# KiCad board Beacon_Multiboard_Stencil.kicad_pcb (continued)
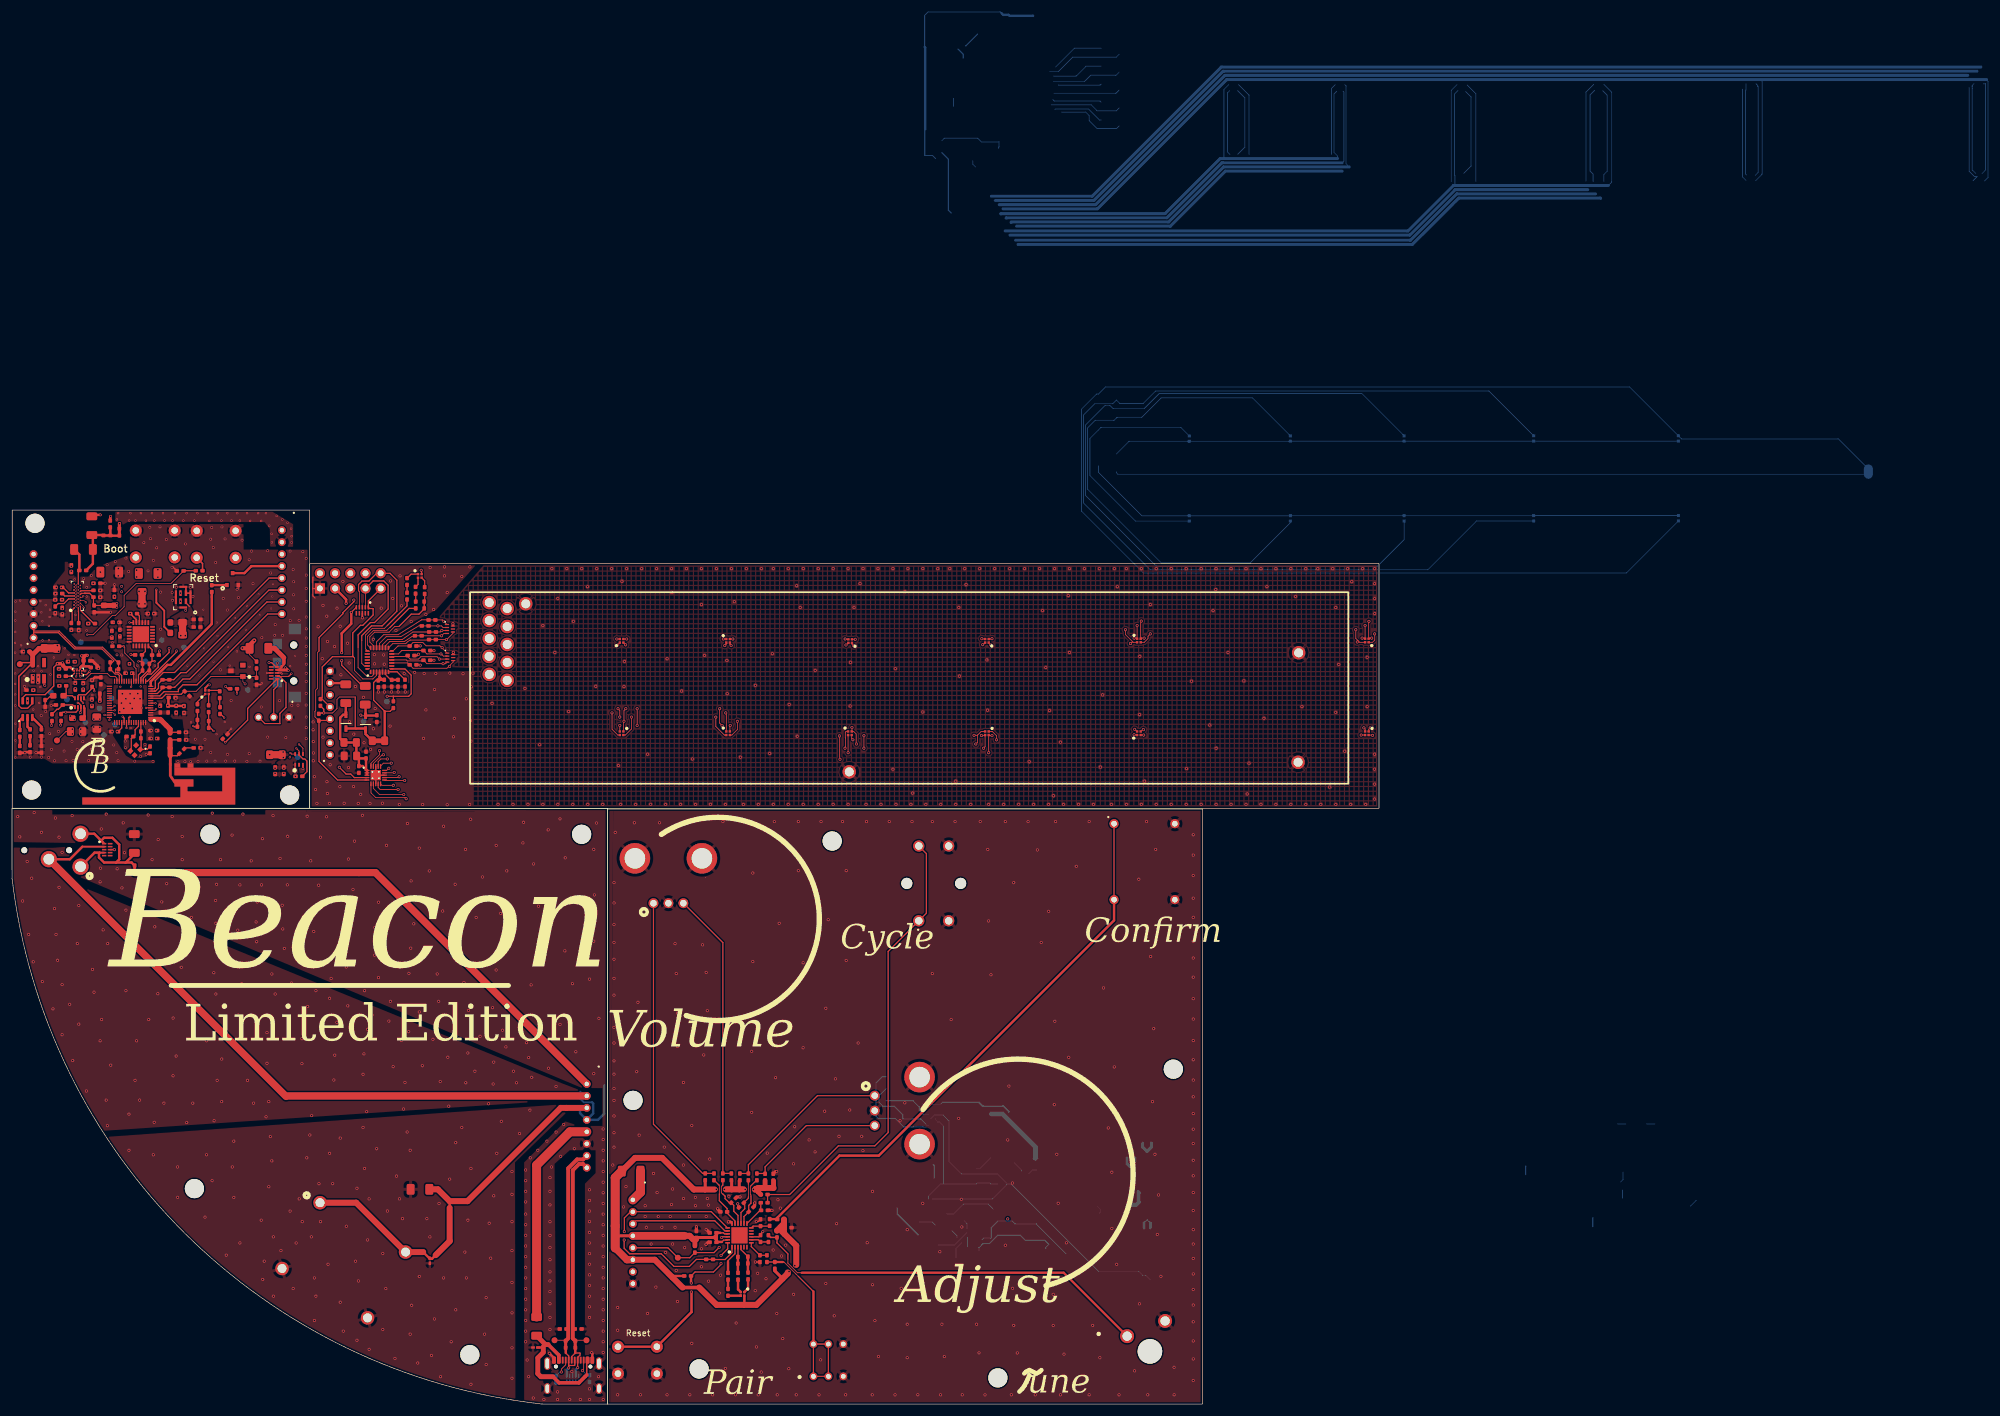
[diagram p0: board, top side]
## Routing (per net, layer and track width the routed paths; a pad name or vN(x,y) marks a point on that pad's centre or on a via; arc(x,y) is an arc through that point) (continued)
/Main_Board/USB_DP: length 21
  Top w0.178: 16.76,123.95 17.02,124.22 15.03,126.21 10.46,126.21 7.77,128.9 3.66,128.9 ; J1610.1 J1610.2 16.43,122.81 17.24,122 17.71,122 17.94,121.77 17.94,120.78
  Top w0.2: J106.1 3.61,128.85 3.66,128.9 3.66,128.9 ; 16.76,123.95 J1610.1
/Tactile_Board/I2C1_SCLK: length 45.1
  Top w0.2: U1501.1 120.33,25.32 119.15,24.15 117.18,24.15 J1501.2 J1501.1 114.38,24.17 113.21,23 110.62,23 108.51,25.11 103.23,25.11 102.31,26.03 v1(102.31,27.42) ; v1(102.34,28.81) 102.34,31.11 103.35,32.12 J104.2 103.79,32.15 116.87,32.15 119.57,29.45 U1501.19
  Bottom w0.2: 252.99,39.74 252.96,39.72 252.96,38.34
/Tactile_Board/I2C1_SDA: length 16.8
  Top w0.2: J104.3 104.27,30.62 117.45,30.62 119.13,28.95 U1501.20
/Tactile_Board/IO_Expander/TACT_B: length 4.7
  Top w0.2: J1503.2 122.99,24.64 121.83,25.8 U1501.4 ; 122.99,22 R1506.1
  Top w0.4: 122.99,22 J1503.1 J1503.2
/Tactile_Board/IO_Expander/TACT_CONFIRM: length 3.2
  Top w0.2: U1501.12 123.85,29.73 C1402.2 126.58,29.73 R1406.2
/Tactile_Board/IO_Expander/TACT_CYCLE: length 4.6
  Top w0.2: R1405.2 125.14,32.43 C1401.2 125.04,32.38 U1501.13
/Tactile_Board/IO_Expander/TACT_EQZR_A: length 7.9
  Top w0.13: 123.07,36.74 123.07,34.64
  Top w0.2: 123.07,34.64 123.07,34.41 C1407.2 122.46,33.48 122.46,32.63 121.83,32.01 U1501.15 ; 123.07,36.74 R1415.1
/Tactile_Board/IO_Expander/TACT_EQZR_B: length 8.2
  Top w0.13: 123.47,36.44 123.4,36.37 123.4,35.04 123.5,34.94 123.5,34.69
  Top w0.2: U1501.14 122.33,31.34 C1408.2 123.12,33.19 123.5,33.57 123.5,34.69 ; 123.47,36.44 124.42,37.4 R1416.1
/Tactile_Board/IO_Expander/TACT_G: length 4.3
  Top w0.2: 121.31,21.94 R1505.1 ; U1501.3 121.33,24.61 J1502.2
  Top w0.4: J1502.2 J1502.1 121.31,21.94
/Tactile_Board/IO_Expander/TACT_PAIR: length 3.9
  Top w0.2: U1501.7 123.56,26.31 C1403.2 126.24,24.87
/Tactile_Board/IO_Expander/TACT_R: length 4.8
  Top w0.2: 119.66,23.77 119.66,23.95 120.83,25.12 U1501.2
  Top w0.4: 119.66,23.77 R1504.1
/Tactile_Board/IO_Expander/TACT_TUNE: length 3
  Top w0.2: R1408.2 126.41,27.09 C1404.2 124.75,27.45 U1501.8
/Tactile_Board/IO_Expander/TACT_VOLUME_A: length 8.7
  Top w0.13: 118.21,36.54 118.21,35.12
  Top w0.2: 118.21,36.54 117.35,37.4 R1413.1 ; U1501.17 120.83,30.59 119.52,31.9 C1405.2 119.52,32.67 118.21,33.98 118.21,35.12
/Tactile_Board/IO_Expander/TACT_VOLUME_B: length 8.7
  Top w0.13: 118.8,35.12 118.75,35.12 118.54,35.32 118.54,36.34 118.7,36.49
  Top w0.2: R1414.1 118.8,36.59 118.7,36.49 ; U1501.16 121.33,31.52 120.63,32.22 120.63,33.2 C1406.2 119.86,33.65 119.18,34.33 119.18,34.74 118.8,35.12
/Tactile_Board/TACT_NINT: length 18.7
  Top w0.2: v1(118.6,27.83) 118.71,27.95 U1501.22 ; v1(118.19,26.18) 117.32,25.31 R1501.1 113.27,24.45 TP1501.1 109.62,26.12 J104.5
  Bottom w0.13: 269.24,38.76 269.24,37.51 268.84,37.11
Net-(AE801-Pad1): length 7.4
  Top w0.2: C802.2 26.43,111 L801.1 ; L802.2 27.63,108.35 26.46,108.35
  Top w0.25: 26.43,108.4 J803.1
  Top w0.381: 26.43,109.59 26.46,109.59
  Top w0.46: J803.1 AE801.1
  Top w0.84: 26.43,108.4 L801.1
Net-(C804-Pad2): length 1.6
  Top w0.2: L802.1 28.94,109.66 C804.2
Net-(D414-A): length 6.1
  Top w0.13: D414.2 58.42,115.02 v1(58.3,115.14)
  Top w0.4: 59.09,117.13 59.09,115.06 60.81,115.06 60.97,115.22
  Bottom w0.13: 161.03,206.75 160.56,207.22 160.56,207.78
Net-(D417-Pad1): length 2.1
  Top w0.2: R407.2 66.7,138.7 D417.1
Net-(D417-Pad2): length 1.7
  Top w0.2: D417.2 67.86,136.98 R405.2
Net-(D417-Pad3): length 1.8
  Top w0.2: D417.3 68.97,137.59 R403.2
Net-(D501-Pad1): length 2.3
  Top w0.4: R513.2 1.31,114.24 D501.1
Net-(D501-Pad2): length 2.2
  Top w0.4: D501.2 2.6,113.18 R512.2
Net-(D501-Pad3): length 2.6
  Top w0.4: R511.2 4.92,113.21 D501.3
Net-(D502-Pad1): length 24.2
  Top w0.25: J510.A9 96.06,7.21 96.06,4.87 ; 88.64,9.44 88.79,9.6
  Top w0.4: 87.83,9.44 88.64,9.44 ; 88.79,9.6 89.15,9.95
  Top w0.6: 89.61,9.95 91.39,8.17 J510.A4 ; 90.42,4.57 91.44,3.55 94.74,3.55 96.06,4.87
  Top w0.8: 89.61,9.95 89.15,9.95 F502.1 ; 90.42,4.57 88.39,4.57 87.88,5.08 87.88,7.72 88.79,8.63 88.79,9.6
Net-(D801-Pad1): length 2.2
  Top w0.2: R805.2 31,117.36 D801.1
Net-(D801-Pad2): length 1.9
  Top w0.2: R803.2 32.87,118.63 D801.2
Net-(D801-Pad3): length 1.9
  Top w0.2: D801.3 34.57,119.26 R801.2
Net-(D1501-Pad1): length 2.4
  Top w0.4: D1501.1 123.02,19.33 R1506.2
Net-(D1501-Pad2): length 2.3
  Top w0.4: R1505.2 121.34,19.17 D1501.2
Net-(D1501-Pad3): length 2.1
  Top w0.2: R1503.2 119.68,18.11
  Top w0.4: D1501.3 121.79,18.1 119.69,18.1 119.68,18.11
Net-(J501-Pin_1): length 11.9
  Top w0.25: v2(46.18,122.59) v2(45.72,123.05) ; 44.62,122.69 45.04,123.12 45.04,123.18
  Top w0.4: D507.4 44.62,122.69 ; 45.44,123.63 45.04,123.23 45.04,123.18
  Top w0.5: 44.62,122.69 45.83,122.69 45.95,122.82
  Top w0.6: 45.44,123.81 45.44,124.75
  Top w0.8: F501.1 43.88,126.31 45.44,124.75
  Bottom w0.2: 188.32,35.45 188.53,35.25 188.63,35.25 ; 188.32,35.45 188.27,35.4 ; 188.32,35.45 188.32,35.56 188.17,35.71
  Bottom w0.7: 188.27,35.4 188.27,33.68 187.91,33.31 186.8,33.31
Net-(J510-CC1): length 3.4
  Top w0.13: v1(91.82,5.35) 91.82,5.84 92.54,6.56 J510.A5
  Bottom w0.13: R517.2 91.56,5.35 v1(91.82,5.35)
Net-(J510-CC2): length 3.3
  Top w0.13: v1(95.35,5.58) 95.54,5.77 J510.B5
  Bottom w0.13: R518.2 96.11,4.82 v1(95.35,5.58)
Net-(PS501-SW): length 2.2
  Top w0.2: 12.17,116.32 PS501.4
  Top w0.4: 12.12,116.27 12.12,114.94 L501.1 11.94,114.76
Net-(Q1301-PadG): length 2.5
  Top w0.2: 33.41,136.87 R1301.2
  Top w0.4: Q1301.G 33.41,136.87
Net-(R405-Pad1): length 1.3
  Top w0.2: R405.1 67.47,135.41 R406.2
Net-(R407-Pad1): length 1.3
  Top w0.2: R407.1 R408.2
Net-(R512-Pad1): length 1.5
  Top w0.4: R515.2 3.03,110.1 R512.1
Net-(R513-Pad1): length 1.5
  Top w0.4: R513.1 R516.2
Net-(R801-Pad1): length 1.5
  Top w0.2: R802.2 34.72,116.51 R801.1
Net-(R1401-Pad2): length 76.9
  Top w0.2: SW1401.1 152.81,91.99 152.81,82.03 SW1401.1 146.43,75.65 146.43,45.38 144.2,43.15 138.1,43.15 129.97,35.02 R1401.2 R1405.1
Net-(R1402-Pad2): length 94.6
  Top w0.2: SW1402.1 SW1402.1
  Top w0.381: R1402.2 127.82,30.91 R1406.1
  Top w0.4: R1402.2 127.88,31.11 138.29,41.52 144.86,41.52 184.18,80.84 SW1402.1
Net-(R1403-Pad2): length 34.4
  Top w0.13: 128.81,23.74 129.01,23.74 131.42,21.33
  Top w0.2: 131.42,21.33 133.94,18.81 ; R1407.1 126.17,23.74 R1403.2 ; SW1403.1 SW1403.1 SW1403.1 SW1403.1 SW1403.1
  Top w0.381: R1403.2 128.81,23.74
  Top w0.4: 133.94,18.81 SW1403.1
Net-(R1404-Pad2): length 68.4
  Top w0.13: 129.67,24.25 129.67,23.55 131.27,21.94 131.98,21.94
  Top w0.2: R1404.2 127.84,26.94 129.67,25.11 129.67,24.25
  Top w0.25: R1404.2 126.79,27.85 R1408.1
  Top w0.381: SW1404.1 175.77,21.94 131.98,21.94
Net-(R1409-Pad2): length 50.5
  Top w0.2: SW1405.A 107.21,46.76 115.43,38.54 R1409.2 R1413.2
Net-(R1410-Pad1): length 49.3
  Top w0.2: SW1405.B 118.8,77.11 R1414.2 120.21,38.54 R1410.1
Net-(R1411-Pad2): length 28.8
  Top w0.2: R1411.2 R1415.2 123.07,40 134.61,51.54 SW1406.A
Net-(R1412-Pad1): length 40.5
  Top w0.2: R1416.2 125.81,38.53 R1412.1 125.86,39.64 132.76,46.54 SW1406.B
  In2.Cu w0.2: 150.05,36.39 150.2,36.55 150.91,36.55
  In2.Cu w0.7: 144.53,40.64 144.53,40.38
  In2.Cu w0.8: 149.89,36.55 147.81,36.55 146.36,37.99 146.36,38.55 144.53,40.38
  In2.Cu w1: 150.91,36.55 149.89,36.55 ; 146.06,46.71 145.12,46.71 144.53,46.12 144.53,40.64
Net-(R1503-Pad1): length 1.6
  Top w0.4: R1503.1 R1504.2
Net-(SW501-C): length 27.1
  Top w0.15: D507.2 44.4,121.61 46.24,121.61
  Top w0.2: R506.1 37.59,119.52 v3(37.59,118.75) ; SW501.3 42.26,113.72 44.78,113.72 44.78,115.43 45.8,116.44 45.8,120.56 44.66,121.69 D507.2 ; 46.24,121.61 v3(46.71,122.08)
  In2.Cu w0.2: 189.16,34.74 185.83,31.42 180.04,31.42
Net-(U402-NRST): length 3.3
  Top w0.2: U402.7 64.36,122.38 C409.2
Net-(U402-VREG): length 3.3
  Top w0.13: U402.6 62.43,121.91 62.68,121.65
  Top w0.2: C408.2 63.32,121.02 62.68,121.65
  Top w0.3: 62.43,121.98 U402.6
  Top w0.381: C408.2 63.38,121.02
  Top w0.4: C407.2 C408.2
Net-(U601-CPF_N): length 3.6
  In2.Cu w0.2: 155.19,43.1 155.19,43.34 153.67,44.86 153.67,46.11
  vias: v2(12.74,130.44) v5(11.12,133.56)
Net-(U601-CPF_P): length 4
  Top w0.18: 11.45,133.29 11.45,132.65
  Top w0.2: U601.D2 11.45,133.29 ; C613.2 13.66,130.44 11.45,132.65
Net-(U601-CPR_N): length 2.6
  Top w0.18: U601.C1 11.09,132.44 11.12,132.41 ; C618.2 11.12,130.54
  Top w0.2: 11.12,130.54 11.12,132.41
Net-(U601-CPR_P): length 2.7
  Top w0.2: C617.2 10.05,130.65 10.05,132.69 U601.A1
Net-(U601-DACREF): length 3.7
  Top w0.2: C614.2 7.72,133.79 8.69,133.79 9.46,134.56 U601.A7
Net-(U601-MIC1_N): length 5.3
  In2.Cu w0.2: 157.22,51.7 156.03,50.51 156.03,49.83 154.5,49.83 154.14,49.47 153.2,49.47
  vias: v2(13.58,137.17) v2(14.77,139.04) v5(10.74,136.81)
Net-(U601-MIC1_P): length 6.2
  Top w0.2: U601.C17 11.09,139.14 C608.1
  Top w0.4: C608.1 11.26,141.96 C607.1
Net-(U601-VDIG): length 2.3
  Top w0.2: C619.2 13.55,135.92 11.54,135.92 U601.D12
Net-(U601-VMID): length 2.2
  Top w0.2: U601.A9 8.79,135.06 C615.2
Net-(U601-VREF): length 2.5
  In2.Cu w0.09: 153.2,47.47 153,47.47
  In2.Cu w0.2: 153,47.47 151.21,47.47 150.82,47.08
  vias: v2(8.37,134.42) v5(10.73,134.81)
Net-(U701-XTAL_32K_P): length 5.8
  Top w0.13: U701.21 19.94,119.9 v3(19.91,119.87)
  In2.Cu w0.13: 162.09,36.37 162.21,36.37 163.33,35.25 163.33,34.69 162.36,33.73 162.36,32.53
  vias: v2(19.63,123.71)
Net-(U1001-REGOUT): length 1.7
  Top w0.2: C1004.2 21.29,131.71 U1001.10
Net-(U1501-NRST): length 30.6
  Top w0.2: v1(118.49,23.46) 118.49,23.32 117.23,22.06 114.14,22.06 R1502.1 ; U1501.24 119.61,25.94 v1(118.49,24.83) ; v1(113.54,20.22) 113.48,20.28
  Top w0.4: 113.48,20.28 R1502.1 ; SW1501.1 SW1501.1 113.57,15.37 113.57,18.7 v1(113.54,18.72)
  Bottom w0.13: 269.14,34.39 269.14,35.76
  Bottom w0.2: 264.19,29.65 264.19,31.15

## Copper pours and planes (outline as drawn; the poured copper is in the pictures)
/Main_Board/+2V5 on In3.Cu: 150.78,38.1 150.73,42.01 152.28,42.44 152.26,49.65 153.02,51.18 153.02,52.24 151.75,52.24 150,49.86 150,45.36 149.33,41.35 149.33,38.12
/Main_Board/+3V3 on Top: 30.75,129.53 30.75,131.46 29.28,134.66 28.84,134.66 28.84,132.8 26.02,131.15 26.02,129.83 29.5,129.83 29.86,129.53
/Main_Board/+3V3 on Top: 14.48,120.7 14.48,119.93 14.35,119.04 14.35,118.41 14.99,118.41 14.99,119.04 15.87,119.81 16.76,119.81 16.76,120.06 15.87,120.06 15.11,120.7
/Main_Board/+3V3 on Top: 21.84,114.33 21.84,113.47 22.45,112.53 22.45,110.8 23.7,110.8 23.7,113.01 22.45,114.33
/Main_Board/+3V3 on Top, In2.Cu: 45.92,109.28 44.58,109.28 44.58,107.5 43.66,106.79 43.66,105.93 45.9,105.93 47.09,104.45 47.9,104.45 47.9,105.34 47.65,106.51 47.62,107.6
/Main_Board/+3V3 on Top, In2.Cu: 16.1,126.36 17.5,126.36 17.5,128.27 23.29,128.27 23.29,134.18 19.02,134.18 16.1,129.84
/Main_Board/MCU/VDD3P3 on Top: 22.77,115.05 23.62,115.05 24.58,115.22 26.41,115.22 26.41,115.93 24.55,115.93 23.62,115.64 22.77,115.64
GND on Top: 71.73,123.21 76.88,123.01 76.88,99.11 229.4,99.29 229.28,140.81 79.33,140.81 71.49,131.67
GND on Top, Bottom: 95.25,51 13.76,45.56 -0.42,74.47 -0.42,93.01 6.85,92.96 11.93,93.37 15.49,93.31 15.49,93.01 14.98,92.96 13.2,92.71 9.65,90.67 9.65,88.64 11.93,86.36 91.94,53.59 95.25,52.32
GND on Top, Bottom: 95.25,52.83 11.17,88.13 10.16,89.15 10.16,90.67 13.46,92.45 15.03,92.76 16,92.81 16,93.62 15.03,93.62 9.85,93.77 -0.41,93.92 -0.46,100.48 100.48,100.43 100.17,52.78
GND on Top, Bottom: 78.23,141.01 49.26,141.15 49.18,98.96 77.28,99.06 77.23,122.51 67.27,122.38 65.8,122.99 64.17,123.06 64.17,127.05 60.49,127.15 60.56,128.68 64.3,128.98 67.22,130.81 70.88,132.72
GND on Top, Bottom: 95.3,50.03 91.18,50.03 14.44,44.55 45.74,8.05 84.14,-0.1 84.07,40.38 92.45,48.51 95.25,48.51
GND on Top, Bottom: 94.74,46.48 92.45,47.24 85.59,40.38 85.59,-0.26 100.07,-0.26 100.07,46.48
GND on Top, Bottom: 98.68,99.97 199.65,99.97 199.65,-1 98.68,-1
GND on Top, Bottom, In1.Cu, In2.Cu, In3.Cu, In4.Cu: 30.77,107.07 27.27,107.07 27.27,107.7 28.26,107.7 30.78,108.11
GND on Top, Bottom, In1.Cu, In2.Cu, In3.Cu, In4.Cu: 46.99,143.26 46.99,147.04 43.09,149.39 17.29,149.19 17.24,147.54 18.49,146.94 19.49,147.49 42.24,147.39 43.09,146.24 43.14,143.29
GND on Top, Bottom, In1.Cu, In2.Cu, In3.Cu, In4.Cu: 0.1,107.83 5.39,107.86 6.74,107.06 20.32,107.09 23.88,107.09 23.88,107.6 20.32,107.6 19.05,108.36 16.89,111.71 18.29,111.71 18.29,112.58 19.79,112.68 20.37,112.76 20.37,112.03 18.67,111.98 18.67,109.63 20.42,107.86 22.69,108.21 23.62,108.21 23.62,110.43 21.87,110.46 21.87,112.73 21.64,112.96 21.64,114.33 21.84,114.33 21.84,113.46 22.44,112.53 22.44,110.81 24.69,110.81 24.69,112.91 22.89,113.88 22.77,114.63 22.77,115.03 24.61,115.12 26.31,115.12 26.87,114.51 28.5,114.41 28.7,112.68 28.7,110.65 31.24,110.14 31.24,108.62 30.78,108.11 30.77,107.07 43.37,107.09 43.37,104.76 46.59,104.76 47.17,104.51 49.61,104.53 49.54,142.78 38.72,142.81 38.69,147.07 19.69,147.07 19.72,141.91 14.19,139.93 12.74,138.28 10.42,138.28 10.42,140.73 8.81,140.76 8.81,139.25 6.91,136.84 6.91,134.55 0.25,134.55
GND on Bottom: 165.29,216.35 168.09,216.35 169.19,215.55 175.39,215.55 176.59,216.45 176.39,223.15 173.99,223.95 171.59,223.95 170.69,223.75 166.79,221.25 164.29,221.15 163.09,219.95 163.09,219.05
GND on Bottom: 191.04,233.51 190.74,213.83 179,208.42 178.94,191.35 332.64,191 332.54,233.75
GND on In1.Cu: 155.32,52.02 156.25,53 156.25,54.37 156.7,54.37 156.7,57.27 160.87,57.27 160.94,59.6 160.08,61.84 157.44,61.84 154.77,61.85 154.77,56.65 152.07,56.65 152.07,54.47 153.22,54.47 153.22,51.6 153.4,50.92 153.7,50.92 153.96,51.58 155.32,51.6
/Fret_Assembly/Touch_Board/RX0 on Bottom: 292.06,170.26 324.45,170.26 324.45,139.15 292.06,139.15
/Fret_Assembly/Touch_Board/RX0 on Bottom: 220.31,168.61 205.07,168.61 205.08,156.29 220.31,156.29
/Fret_Assembly/Touch_Board/RX0 on Bottom: 263.49,154.39 243.8,154.39 243.8,139.78 263.49,139.78
/Fret_Assembly/Touch_Board/RX0 on Bottom: 222.85,168.99 240.63,168.99 240.63,156.29 222.85,156.29
/Fret_Assembly/Touch_Board/RX0 on Bottom: 266.66,139.15 266.66,154.39 288.89,154.39 288.89,139.15
/Fret_Assembly/Touch_Board/RX0 on Bottom: 220.31,154.39 205.07,154.39 205.07,140.42 220.31,140.42
/Fret_Assembly/Touch_Board/RX0 on Bottom: 222.85,140.42 222.85,154.39 240.63,154.39 240.63,144.86 236.18,140.42
/Fret_Assembly/Touch_Board/RX0 on Bottom: 202.53,167.72 192.37,167.72 189.19,164.55 189.19,156.29 202.53,156.29
/Fret_Assembly/Touch_Board/RX0 on Bottom: 266.66,156.29 266.66,170.26 288.89,170.26 288.89,156.29
/Fret_Assembly/Touch_Board/RX0 on Bottom: 243.8,169.39 263.49,169.39 263.49,156.29 243.8,156.29
/Fret_Assembly/Touch_Board/RX0 on Bottom: 202.53,154.39 189.19,154.39 189.19,144.23 193,141.05 202.53,141.05
/Main_Board/Regulators/SYS_PWR on In2.Cu: 153.63,37.17 153.63,35.9 155.15,32.6 155.15,29.93 152.48,29.93 152.48,31.83 149.82,32.21 149.82,33.1 151.34,33.1 152.48,37.17

## Text on the board
B.Silkscreen: JLCJLCJLCJLC | REV 1
F.Silkscreen: Reset | Boot | ~ | Limited Edition | Beacon | B | Pair | Cycle | une | Confirm | Volume | Adjust | Boop | Beep
User.6: No | Yes
